# Altium PCB fastic-readout.PcbDoc (part 2 of 6) (continued)
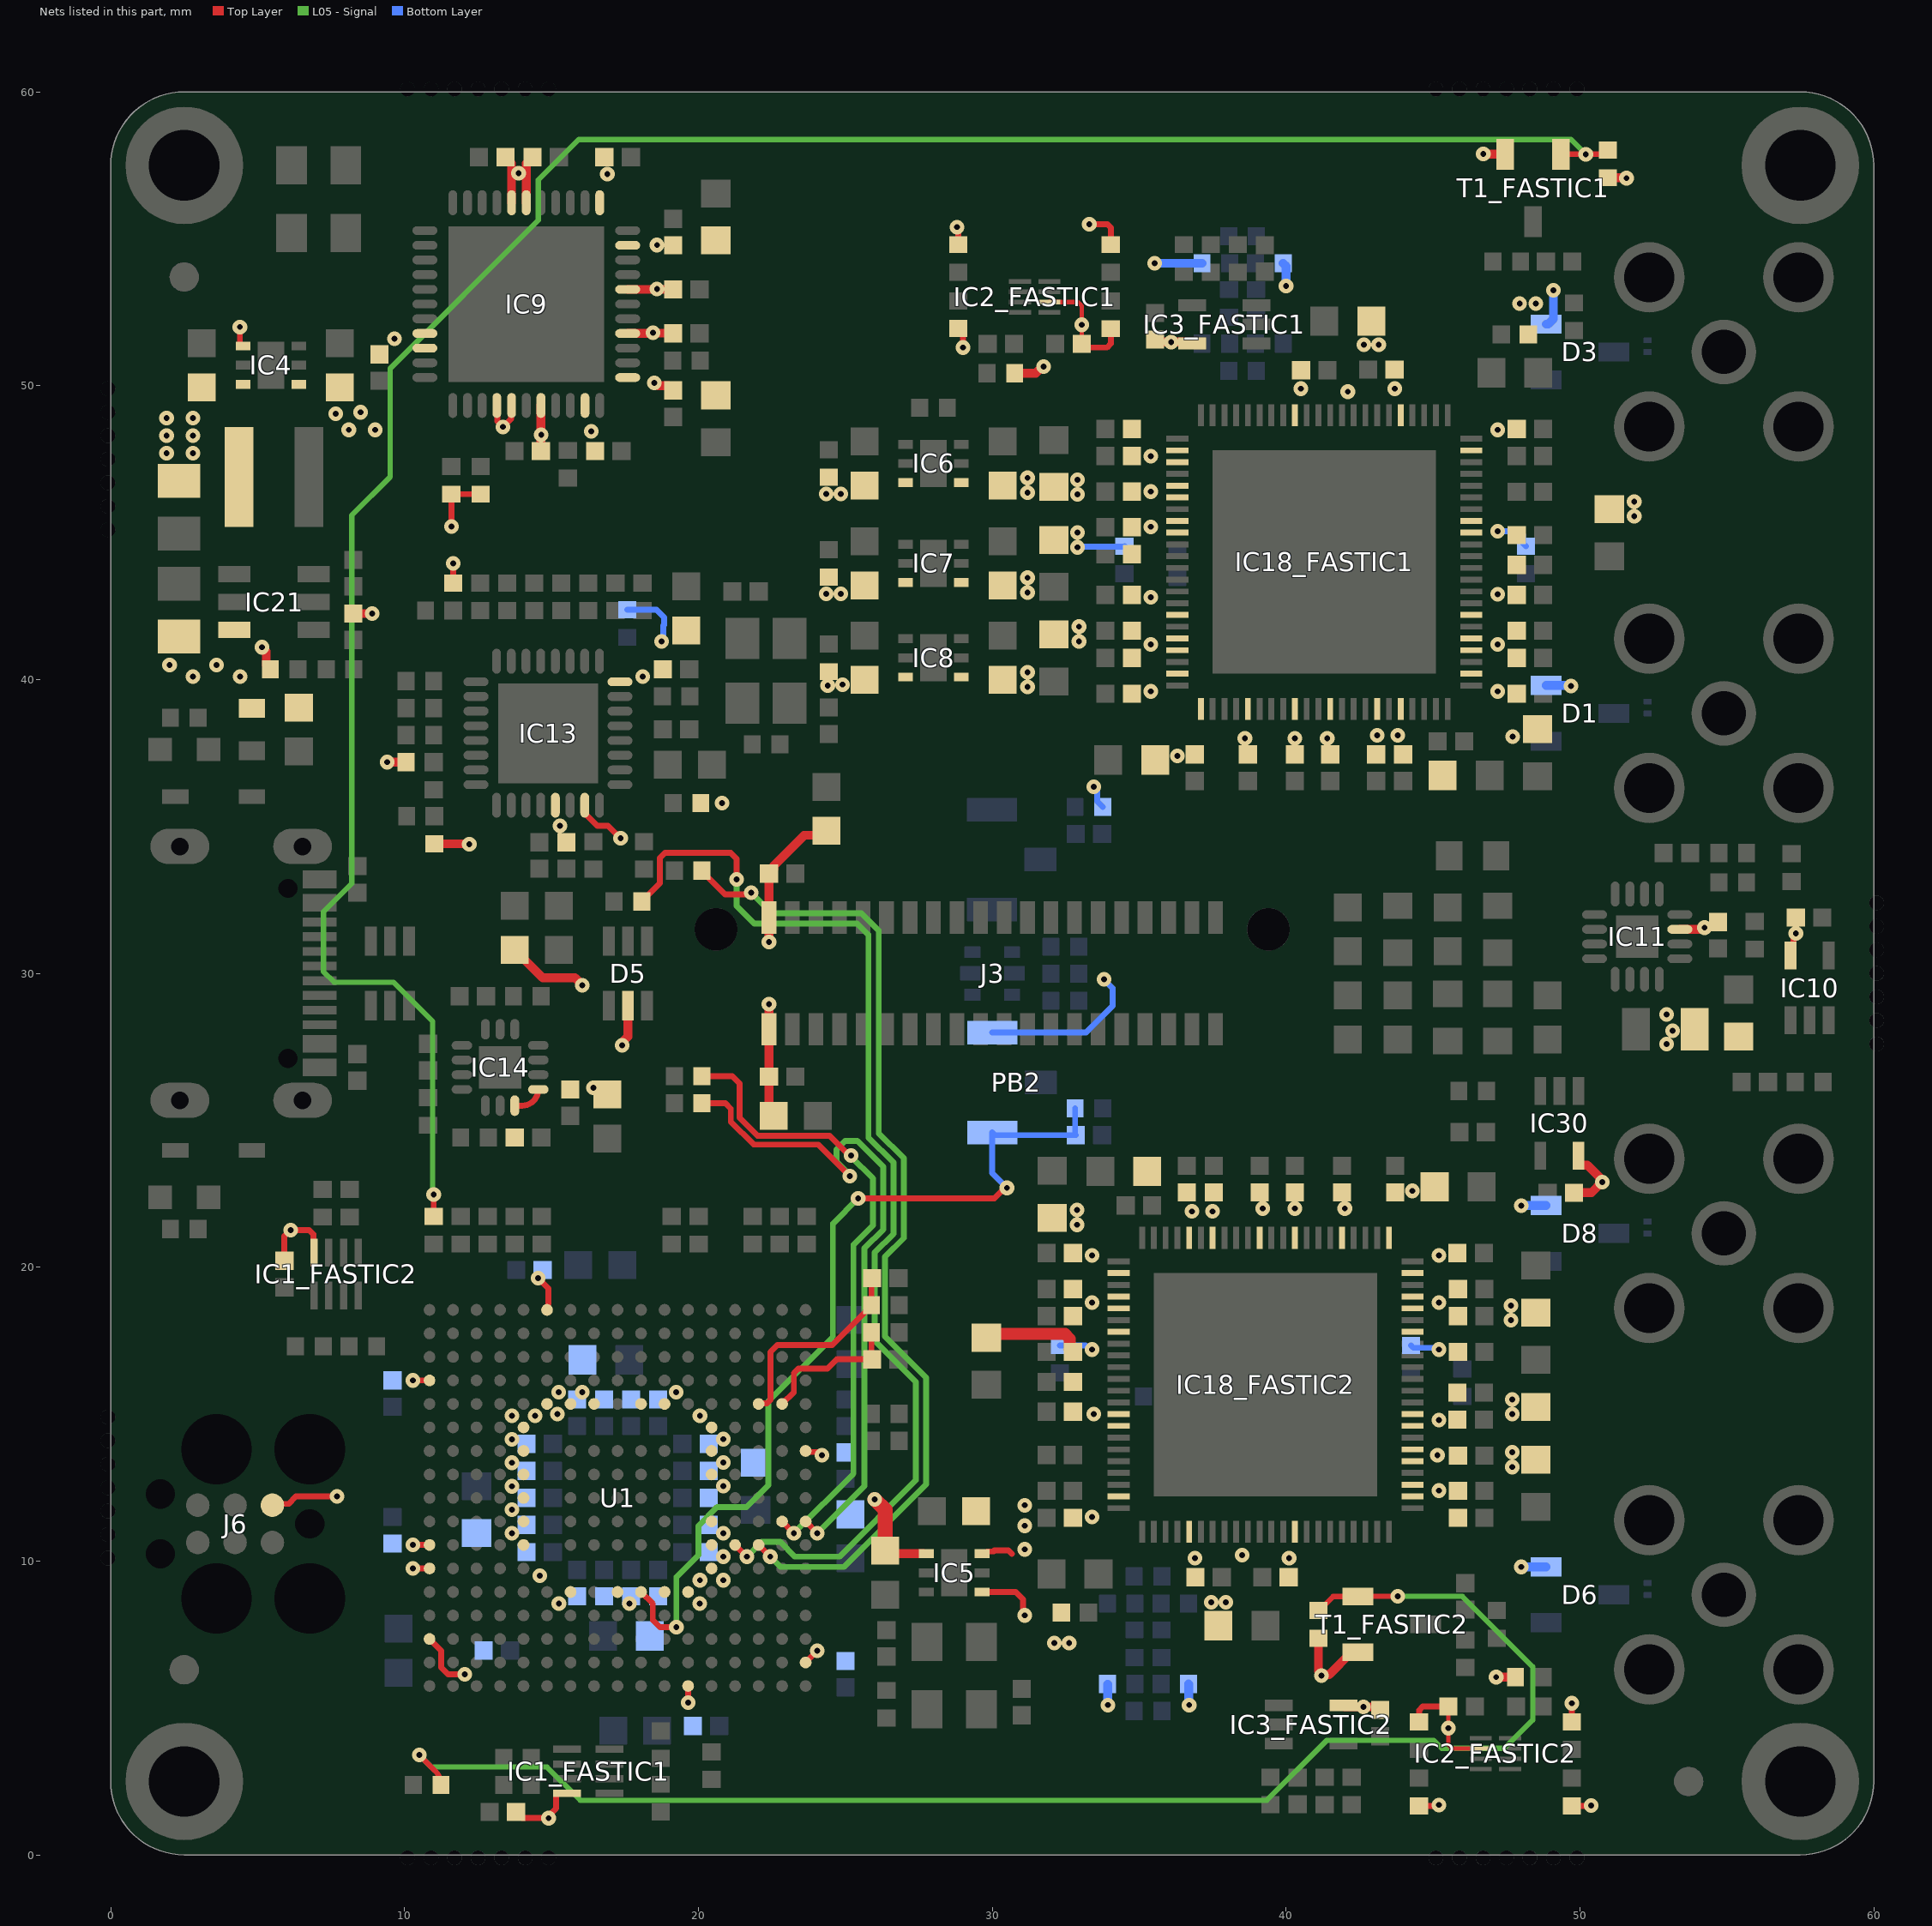
[diagram p8: the nets of this part, all layers, seen from the top]
## Part data (continued)
L1_FASTIC1 L1_FASTIC2: library part IND0402_MURATA_BLM15HB221SN1, Case=0402, Manufacturer=MURATA, Manufacturer Part Number=BLM15HB221SN1, Power=250mA, Resistance=1R, Tolerance=±25%, Author="CERN DEM JLC", Component Type=Standard, ComponentHeight=0.55mm, CreateDate=6/23/2009, HelpURL=\\cern.ch\dfs\Applications\Altium\Datasheets\IND0402_MURATA_BLM15H.pdf, LatestRevisionDate=10/25/2018, Mounted=Yes, Part Description="SMD EMIFIL Suppression Chip Ferrite Bead", Part Number=IND0402_MURATA_BLM15HB221SN1, Pin Count=2, Sense=No, SMD=Yes, Socket=No
L2: library part IND_3.3UH_20%_COILCRAFT_XAL4030, "Inductor With Core", Manufacturer=COILCRAFT, Manufacturer Part Number=XAL4030-332ME, Power=5A, Resistance=0.026R, Tolerance=±20%, Author="CERN DEM BC", Component Type=Standard, ComponentHeight=3.1mm, CreateDate=8/7/2019, HelpURL=\\cern.ch\dfs\Applications\Altium\Datasheets\IND_COILCRAFT_XAL4030.pdf, LatestRevisionDate=8/7/2019, Mounted=Yes, Part Description="SMD Shielded Power Inductor", Part Number=IND_3.3UH_20%_COILCRAFT_XAL4030, Pin Count=2, Sense=No, SMD=Yes, Socket=No
L3: library part IND0805_TDK_MLZ2012M150WT000, "Inductor", Case=0805, Manufacturer=TDK, Manufacturer Part Number=MLZ2012M150WT000, Power=100mA, Resistance=0.95R, Tolerance=±20%, Author="CERN DEM HF", Component Type=Standard, ComponentHeight=1.45mm, CreateDate=4/18/2024, HelpURL=\\cern.ch\dfs\Applications\Altium\Datasheets\IND0805_TDK_MLZ2012.pdf, LatestRevisionDate=4/18/2024, Mounted=Yes, Part Description="SMD Multilayer Ferrite (MLZ Series)", Part Number=IND0805_TDK_MLZ2012M150WT000, Pin Count=2, Sense=No, SMD=Yes, Socket=No
LD13 LD14: library part LED_KINGBRIGHT_KPH-1608CGCK, "LED Green 1C 2A", Case=0603, Manufacturer=KINGBRIGHT, Manufacturer Part Number=KPH-1608CGCK, Author="CERN DEM JLC", Bonding=No, Color=Green, Component Type=Standard, ComponentHeight=0.65mm, CreateDate=7/3/2017, HelpURL=\\cern.ch\dfs\Applications\Altium\Datasheets\LED_KINGBRIGHT_KPH-1608CGCK.pdf, LatestRevisionDate=7/3/2017, Mounted=Yes, PackageDescription="SMT Green LED, Case 0603, Body L 1.6 x W 0.8mm H 0.65mm", Part Description="SMD Green LED, Case 1.6mmX0.8mm(0603), 0.65mm Thickness", Part Number=LED_KINGBRIGHT_KPH-1608CGCK, Pin Count=2, PressFit=No, Sense=No, SMD=Yes, Socket=No
LD15: library part LED_EVERLIGHT_EAST1616RGBA8, "Everlight Tricolor (Red/Green/Blue) Surface Mount LED", Manufacturer=EVERLIGHT, Manufacturer Part Number=EAST1616RGBA8, Author="CERN DEM HF", Bonding=No, Color=Red/Green/Blue, Component Type=Standard, ComponentHeight=0.35mm, CreateDate=4/11/2022, HelpURL=\\cern.ch\dfs\Applications\Altium\Datasheets\LED_EVERLIGHT_EAST1616RGBA8.pdf, LatestRevisionDate=4/11/2022, Mounted=Yes, PackageDescription="Tricolor (RGB) Surface Mount LED, Body 1.6mm X 1.6mm X 0.35mm", Part Description="Everlight Tricolor (Red/Green/Blue) Surface Mount LED", Part Number=LED_EVERLIGHT_EAST1616RGBA8, Pin Count=6, PressFit=No, Sense=No, SMD=Yes, Socket=No
PB1 PB2: library part PB_OMRON_B3U-1100P, "Push-Button Switch SPST", Manufacturer=OMRON, Manufacturer Part Number=B3U-1100P, Author="CERN DEM JLC", Component Type=Standard, ComponentHeight=1.75mm, CreateDate=3/16/2010, Family="Push Button", HelpURL=\\cern.ch\dfs\Applications\Altium\Datasheets\PB_OMRON_B3U-1100P.pdf, LatestRevisionDate=9/12/2024, Mounted=Yes, PackageDescription="Body 1.2x3x2.5mm Ultra-Small Tactile SPST Pushbutton Switch, (with Ground Terminal), OMRON B3U Series", Part Description="3x2.5mm Ultra-Small Tactile SPST Pushbutton Switch (with Ground Terminal),Contact Rating 50mA 12VDC, B3U Series", Part Number=PB_OMRON_B3U-1100P, Pin Count=3, PressFit=No, Sense=Yes, Sense Comment=Non-washable, SMD=Yes, Socket=No, Status=None
Q1 Q2: library part XTAL_48MHZ_KYOCERA_CX3225SB48000D0FPJC1, "Crystal 4 pins 1=XTAL Control 2=GND3=XTAL 4=GND", Manufacturer=KYOCERA, Manufacturer Part Number=CX3225SB48000D0FPJC1, Author="CERN DEM JLC", Bonding=No, Component Type=Standard, ComponentHeight=0.6mm, CreateDate=6/5/2018, HelpURL=\\cern.ch\dfs\Applications\Altium\Datasheets\XTAL_KYOCERA_CX3225SB.pdf, LatestRevisionDate=6/5/2018, Mounted=Yes, PackageDescription="SMD Crystal Kyocera, 4 Pins, 2.50mm L X 3.20mm W X 0.6mm H", Part Description="Tolerance: ±10ppm, Stability: ±15ppm, 8pF, -40°C to +85°C, Surface Mount Crystal", Part Number=XTAL_48MHZ_KYOCERA_CX3225SB48000D0FPJC1, Pin Count=4, PressFit=No, Sense=No, SMD=Yes, Socket=No
Q3: library part "XTAL_24MHZ_EPSON_TSX-3225 24.0000MF15X-AC", "Crystal 4 pins 1=XTAL Control 2=GND3=XTAL 4=GND", Manufacturer=EPSON, Manufacturer Part Number="TSX-3225 24.0000MF15X-AC", Author="CERN DEM JLC", Bonding=No, Component Type=Standard, ComponentHeight=0.6mm, ComponentLink1Description="Ordering Informations", ComponentLink1URL=\\cern.ch\dfs\Applications\Altium\Datasheets\XTAL_EPSON_TSX-3225_Ordering-Informations.pdf, CreateDate=10/6/2016, HelpURL=\\cern.ch\dfs\Applications\Altium\Datasheets\XTAL_EPSON_TSX-3225.pdf, LatestRevisionDate=10/6/2016, Mounted=Yes, PackageDescription="Crystal, Corner Concave; 4 Pin, 2.50mm L X 3.20mm W X 0.60mm H, TSX-3225 Serie", Part Description="Tolerance: ±10ppm, Stability: ±15ppm, -40°C to +85°C, 9pF, Surface Mount Quartz Crystal, TX-3225 Series", Part Number="XTAL_24MHZ_EPSON_TSX-3225 24.0000MF15X-AC", Pin Count=4, PressFit=No, Sense=No, SMD=Yes, Socket=No
R1 R2 R11 R12 R18 R19 R21 R22 R31_FASTIC1 R31_FASTIC2 R82 R123 R124 R126: library part R0402_220R_1%_0.0625W_100PPM, "Resistor - 1%", Case=0402, Manufacturer=GENERIC, Manufacturer1 ComponentHeight=0.4mm, Manufacturer1 Example="YAGEO PHYCOMP", Manufacturer1 Part Number=232270672201L, Power=0.0625W, Tolerance=±1%, Author="CERN DEM JLC", Component Type=Standard, CreateDate=12/3/2007, HelpURL=\\cern.ch\dfs\Applications\Altium\Datasheets\R0402_Phycomp_RC0402.pdf, LatestRevisionDate=10/17/2012, Manufacturer Part Number=R0402_220R_1%_0.0625W_100PPM, Mounted=Yes, Part Description="General Purpose Thick Film Chip Resistor", Part Number=R0402_220R_1%_0.0625W_100PPM, Pin Count=2, PressFit=No, Sense=No, SMD=Yes, Socket=No, Status="Not Recommended", TC=±100ppm/°C
R3 R4 R9 R13 R14 R23: library part R0402_50R_1%_0.063W_50PPM_KOA_RN73R, "Resistor - 1%", Case=0402, Manufacturer=KOA, Manufacturer Part Number=RN73R1ETTP50R0F50, Power=0.063W, Tolerance=±1%, Author="CERN DEM BC", Component Type=Standard, ComponentHeight=0.4mm, CreateDate=11/11/2020, HelpURL=\\cern.ch\dfs\Applications\Altium\Datasheets\R0402_KOA_RN73R.pdf, LatestRevisionDate=11/11/2020, Mounted=Yes, Part Description="Precision Thin (Metal) Film Flat Chip Resistor", Part Number=R0402_50R_1%_0.063W_50PPM_KOA_RN73R, Pin Count=2, PressFit=No, Sense=No, SMD=Yes, Socket=No, Status="Not Recommended", TC=±50ppm/°C
R5 R6 R15 R16: library part R0402_20R_1%_0.0625W_100PPM, "Resistor - 1%", Case=0402, Manufacturer=GENERIC, Manufacturer1 ComponentHeight=0.4mm, Manufacturer1 Example="YAGEO PHYCOMP", Manufacturer1 Part Number=232270672009L, Power=0.0625W, Tolerance=±1%, Author="CERN DEM JLC", Component Type=Standard, CreateDate=12/3/2007, HelpURL=\\cern.ch\dfs\Applications\Altium\Datasheets\R0402_Phycomp_RC0402.pdf, LatestRevisionDate=10/17/2012, Manufacturer Part Number=R0402_20R_1%_0.0625W_100PPM, Mounted=Yes, Part Description="General Purpose Thick Film Chip Resistor", Part Number=R0402_20R_1%_0.0625W_100PPM, Pin Count=2, PressFit=No, Sense=No, SMD=Yes, Socket=No, Status="Not Recommended", TC=±100ppm/°C
R7 R8 R10 R17 R20 R24 R25 R26 R30_FASTIC1 R30_FASTIC2 R68 R69 R70 R71 R72 R73 R74 R75 R76 R77 R78 R81 R83 R84 R89 R90 R92 R94 R96 R97 R98 R99 R102 R103 R104: library part R0402_22R_1%_0.0625W_100PPM, "Resistor - 1%", Case=0402, Manufacturer=GENERIC, Manufacturer1 ComponentHeight=0.4mm, Manufacturer1 Example="YAGEO PHYCOMP", Manufacturer1 Part Number=232270672209L, Power=0.0625W, Tolerance=±1%, Author="CERN DEM JLC", Component Type=Standard, CreateDate=12/3/2007, HelpURL=\\cern.ch\dfs\Applications\Altium\Datasheets\R0402_Phycomp_RC0402.pdf, LatestRevisionDate=10/17/2012, Manufacturer Part Number=R0402_22R_1%_0.0625W_100PPM, Mounted=Yes, Part Description="General Purpose Thick Film Chip Resistor", Part Number=R0402_22R_1%_0.0625W_100PPM, Pin Count=2, PressFit=No, Sense=No, SMD=Yes, Socket=No, Status="Not Recommended", TC=±100ppm/°C
R27_FASTIC1 R27_FASTIC2 R28_FASTIC1 R28_FASTIC2 R29_FASTIC1 R29_FASTIC2 R47 R48 R49 R50 R60 R79 R80 R85 R100 R108: library part R0402_10K_1%_0.0625W_100PPM, "Resistor - 1%", Case=0402, Manufacturer=GENERIC, Manufacturer1 ComponentHeight=0.4mm, Manufacturer1 Example="YAGEO PHYCOMP", Manufacturer1 Part Number=232270671003L, Power=0.0625W, Tolerance=±1%, Author="CERN DEM JLC", Component Type=Standard, CreateDate=12/3/2007, HelpURL=\\cern.ch\dfs\Applications\Altium\Datasheets\R0402_Phycomp_RC0402.pdf, LatestRevisionDate=10/17/2012, Manufacturer Part Number=R0402_10K_1%_0.0625W_100PPM, Mounted=Yes, Part Description="General Purpose Thick Film Chip Resistor", Part Number=R0402_10K_1%_0.0625W_100PPM, Pin Count=2, PressFit=No, Sense=No, SMD=Yes, Socket=No, Status="Not Recommended", TC=±100ppm/°C
R32_FASTIC1 R32_FASTIC2 R33_FASTIC1 R33_FASTIC2 R101 R125 R127 R128 R129 R130: library part R0402_100R_1%_0.1W_100PPM, "Resistor - 1%", Case=0402, Manufacturer=GENERIC, Manufacturer1 ComponentHeight=0.4mm, Manufacturer1 Example=PANASONIC, Manufacturer1 Part Number=ERJ2RKF1000X, Manufacturer Part Number=R0402_100R_1%_0.1W_100PPM_50V, Power=0.1W, Tolerance=±1%, Voltage=50V, Author="CERN DEM JLC", Component Type=Standard, CreateDate=12/12/2013, HelpURL=\\cern.ch\dfs\Applications\Altium\Datasheets\R0402_PANASONIC_ERJ2RK.pdf, LatestRevisionDate=3/3/2015, Mounted=Yes, Part Description="General Purpose Thick Film Chip Resistor", Part Number=R0402_100R_1%_0.1W_100PPM, Pin Count=2, PressFit=No, Sense=No, SMD=Yes, Socket=No, Status="Not Recommended", TC=±100ppm/°C
R34_FASTIC1 R34_FASTIC2 R35_FASTIC1 R35_FASTIC2 R39_FASTIC1 R39_FASTIC2 R40_FASTIC1 R40_FASTIC2 R42_FASTIC1 R42_FASTIC2 R43_FASTIC1 R43_FASTIC2 R51 R52: library part R0402_4K7_1%_0.0625W_100PPM, "Resistor - 1%", Case=0402, Manufacturer=GENERIC, Manufacturer1 ComponentHeight=0.4mm, Manufacturer1 Example="YAGEO PHYCOMP", Manufacturer1 Part Number=232270674702L, Power=0.0625W, Tolerance=±1%, Author="CERN DEM JLC", Component Type=Standard, CreateDate=12/3/2007, HelpURL=\\cern.ch\dfs\Applications\Altium\Datasheets\R0402_Phycomp_RC0402.pdf, LatestRevisionDate=10/17/2012, Manufacturer Part Number=R0402_4K7_1%_0.0625W_100PPM, Mounted=Yes, Part Description="General Purpose Thick Film Chip Resistor", Part Number=R0402_4K7_1%_0.0625W_100PPM, Pin Count=2, PressFit=No, Sense=No, SMD=Yes, Socket=No, Status="Not Recommended", TC=±100ppm/°C
R36_FASTIC1 R36_FASTIC2: library part R0402_200K_1%_0.0625W_100PPM, "Resistor - 1%", Case=0402, Manufacturer=GENERIC, Manufacturer1 ComponentHeight=0.4mm, Manufacturer1 Example="YAGEO PHYCOMP", Manufacturer1 Part Number=232270672004L, Power=0.0625W, Tolerance=±1%, Author="CERN DEM JLC", Component Type=Standard, CreateDate=12/3/2007, HelpURL=\\cern.ch\dfs\Applications\Altium\Datasheets\R0402_Phycomp_RC0402.pdf, LatestRevisionDate=10/17/2012, Manufacturer Part Number=R0402_200K_1%_0.0625W_100PPM, Mounted=Yes, Part Description="General Purpose Thick Film Chip Resistor", Part Number=R0402_200K_1%_0.0625W_100PPM, Pin Count=2, PressFit=No, Sense=No, SMD=Yes, Socket=No, Status="Not Recommended", TC=±100ppm/°C
R37: library part R0402_31K6_0.1%_0.063W_25PPM_YAGEO_RT, "Resistor - 0.1%", Case=0402, Manufacturer=YAGEO, Manufacturer Part Number=RT0402BRD0731K6L, Power=0.063W, Tolerance=±0.1%, Voltage=50V, Author="CERN DEM BC", Component Type=Standard, ComponentHeight=0.35mm, CreateDate=7/30/2020, HelpURL=\\cern.ch\dfs\Applications\Altium\Datasheets\R0402_YAGEO_RT.pdf, LatestRevisionDate=7/30/2020, Mounted=Yes, Part Description="Thin Film Chip Resistor", Part Number=R0402_31K6_0.1%_0.063W_25PPM_YAGEO_RT, Pin Count=2, PressFit=No, Sense=No, SMD=Yes, Socket=No, Status="Not Recommended", TC=±25ppm/°C
R38 R41_FASTIC1 R41_FASTIC2: library part R0402_10K_0.1%_0.063W_25PPM, "Resistor - 0.1%", Case=0402, Manufacturer=GENERIC, Manufacturer1 ComponentHeight=0.35mm, Manufacturer1 Example="TE CONNECTIVITY", Manufacturer1 Part Number=CPF0402B10KE1, Power=0.063W, Tolerance=±0.1%, Author="CERN DEM JMW", Component Type=Standard, CreateDate=9/22/2015, HelpURL=\\cern.ch\dfs\Applications\Altium\Datasheets\R0402_TYCO_CPF.pdf, LatestRevisionDate=9/22/2015, Manufacturer Part Number=R0402_10K_0.1%_0.063W_25PPM, Mounted=Yes, Part Description="Thin Film Precision Resistor", Part Number=R0402_10K_0.1%_0.063W_25PPM, Pin Count=2, PressFit=No, Sense=No, SMD=Yes, Socket=No, Status="Not Recommended", TC=±25ppm/°C
R44_FASTIC1 R44_FASTIC2 R63: library part R0402_20K_0.1%_0.063W_25PPM, "Resistor - 0.1%", Case=0402, Manufacturer=GENERIC, Manufacturer1 ComponentHeight=0.4mm, Manufacturer1 Example=PANASONIC, Manufacturer1 Part Number=ERA2AEB203X, Power=0.063W, Tolerance=±0.1%, Voltage=50V, Author="CERN DEM BC", Component Type=Standard, CreateDate=7/10/2020, HelpURL=\\cern.ch\dfs\Applications\Altium\Datasheets\R0402_PANASONIC_ERA.pdf, LatestRevisionDate=7/10/2020, Manufacturer Part Number=R0402_20K_0.1%_0.063W_25PPM, Mounted=Yes, Part Description="Thin Film Precision Resistor", Part Number=R0402_20K_0.1%_0.063W_25PPM, Pin Count=2, PressFit=No, Sense=No, SMD=Yes, Socket=No, Status="Not Recommended", TC=±25ppm/°C
R53: library part R0402_1K_0.1%_0.063W_25PPM, "Resistor - 0.1%", Case=0402, Manufacturer=GENERIC, Manufacturer1 ComponentHeight=0.4mm, Manufacturer1 Example=PANASONIC, Manufacturer1 Part Number=ERA2AEB102X, Power=0.063W, Tolerance=±0.1%, Voltage=50V, Author="CERN DEM BC", Component Type=Standard, CreateDate=7/10/2020, HelpURL=\\cern.ch\dfs\Applications\Altium\Datasheets\R0402_PANASONIC_ERA.pdf, LatestRevisionDate=7/10/2020, Manufacturer Part Number=R0402_1K_0.1%_0.063W_25PPM, Mounted=Yes, Part Description="Thin Film Precision Resistor", Part Number=R0402_1K_0.1%_0.063W_25PPM, Pin Count=2, PressFit=No, Sense=No, SMD=Yes, Socket=No, Status="Not Recommended", TC=±25ppm/°C
R54: library part R0603_100R_1%_0.1W_100PPM, "Resistor - 1%", Case=0603, Manufacturer=GENERIC, Manufacturer1 ComponentHeight=0.55mm, Manufacturer1 Example="NIC COMPONENT", Manufacturer1 Part Number=NRC06F4700TRF, Power=0.1W, Tolerance=±1%, Author="CERN DEM JLC", Component Type=Standard, CreateDate=12/3/2007, HelpURL=\\cern.ch\dfs\Applications\Altium\Datasheets\R0603_NIC_NRC.pdf, LatestRevisionDate=3/13/2008, Manufacturer Part Number=R0603_100R_1%_0.1W_100PPM, Mounted=Yes, Part Description="General Purpose Thick Film Chip Resistor", Part Number=R0603_100R_1%_0.1W_100PPM, Pin Count=2, PressFit=No, Sense=No, SMD=Yes, Socket=No, Status=Preferred, TC=±100ppm/°C
R55: library part R0603_20R_0.1%_0.063W_10PPM, "Resistor - 0.1%", Case=0603, Manufacturer=GENERIC, Manufacturer1 ComponentHeight=0.5mm, Manufacturer1 Example="TYCO HOLSWORTHY", Manufacturer1 Part Number=RN73C1J20RBTDF, Power=0.063W, Tolerance=±0.1%, Author="CERN DEM JLC", Component Type=Standard, CreateDate=12/3/2007, HelpURL=\\cern.ch\dfs\Applications\Altium\Datasheets\R0603_Tyco_RN73.pdf, LatestRevisionDate=3/13/2008, Manufacturer Part Number=R0603_20R_0.1%_0.063W_10PPM, Mounted=Yes, Part Description="Thin Film Chip Resistor", Part Number=R0603_20R_0.1%_0.063W_10PPM, Pin Count=2, PressFit=No, Sense=No, SMD=Yes, Socket=No, Status="Not Recommended", TC=±10ppm
R56 R61: library part R0402_12K_1%_0.0625W_100PPM, "Resistor - 1%", Case=0402, Manufacturer=GENERIC, Manufacturer1 ComponentHeight=0.4mm, Manufacturer1 Example="YAGEO PHYCOMP", Manufacturer1 Part Number=232270671203L, Power=0.0625W, Tolerance=±1%, Author="CERN DEM JLC", Component Type=Standard, CreateDate=12/3/2007, HelpURL=\\cern.ch\dfs\Applications\Altium\Datasheets\R0402_Phycomp_RC0402.pdf, LatestRevisionDate=10/17/2012, Manufacturer Part Number=R0402_12K_1%_0.0625W_100PPM, Mounted=Yes, Part Description="General Purpose Thick Film Chip Resistor", Part Number=R0402_12K_1%_0.0625W_100PPM, Pin Count=2, PressFit=No, Sense=No, SMD=Yes, Socket=No, Status="Not Recommended", TC=±100ppm/°C
R57 R58: library part R0603_1M_0.1%_0.063W_25PPM, "Resistor - 0.1%", Case=0603, Manufacturer=GENERIC, Manufacturer1 ComponentHeight=0.55mm, Manufacturer1 Example="TE CONNECTIVITY", Manufacturer1 Part Number=CPF0603B1M0E1, Power=0.063W, Tolerance=±0.1%, Voltage=100V, Author="CERN DEM JLC", Component Type=Standard, CreateDate=5/24/2012, HelpURL=\\cern.ch\dfs\Applications\Altium\Datasheets\R0603_TYCO_CPF.pdf, LatestRevisionDate=5/24/2012, Manufacturer Part Number=R0603_1M_0.1%_0.063W_25PPM, Mounted=Yes, Part Description="Thin Film Chip Resistor", Part Number=R0603_1M_0.1%_0.063W_25PPM, Pin Count=2, PressFit=No, Sense=No, SMD=Yes, Socket=No, Status="Not Recommended", TC=±25ppm
R59: library part R0402_15K_1%_0.0625W_100PPM, "Resistor - 1%", Case=0402, Manufacturer=GENERIC, Manufacturer1 ComponentHeight=0.4mm, Manufacturer1 Example=VISHAY, Manufacturer1 Part Number=CRCW040215K0FK, Power=0.0625W, Tolerance=±1%, Author="CERN DEM JMW", Component Type=Standard, CreateDate=7/6/2015, HelpURL="\\cern.ch\dfs\Applications\Altium\Datasheets\R0402_VISHAY_CRCW e3.pdf", LatestRevisionDate=7/6/2015, Manufacturer Part Number=R0402_15K_1%_0.0625W_100PPM, Mounted=Yes, Part Description="General Purpose Thick Film Chip Resistor", Part Number=R0402_15K_1%_0.0625W_100PPM, Pin Count=2, PressFit=No, Sense=No, SMD=Yes, Socket=No, Status=Preferred, TC=±100ppm/°C
R62: library part R0603_12K_1%_0.1W_100PPM, "Resistor - 1%", Case=0603, Manufacturer=GENERIC, Manufacturer1 ComponentHeight=0.55mm, Manufacturer1 Example="NIC COMPONENT", Manufacturer1 Part Number=NRC06F1202TRF, Power=0.1W, Tolerance=±1%, Author="CERN DEM JLC", Component Type=Standard, CreateDate=12/3/2007, HelpURL=\\cern.ch\dfs\Applications\Altium\Datasheets\R0603_NIC_NRC.pdf, LatestRevisionDate=3/13/2008, Manufacturer Part Number=R0603_12K_1%_0.1W_100PPM, Mounted=Yes, Part Description="General Purpose Thick Film Chip Resistor", Part Number=R0603_12K_1%_0.1W_100PPM, Pin Count=2, PressFit=No, Sense=No, SMD=Yes, Socket=No, Status=Preferred, TC=±100ppm/°C
R86 R87 R88 R91 R93 R95 R107: library part R0402_0R_JUMPER, "Resistor", Case=0402, Manufacturer=GENERIC, Manufacturer1 ComponentHeight=0.4mm, Manufacturer1 Example="YAGEO PHYCOMP", Manufacturer1 Part Number=232270591001L, Author="CERN DEM JLC", Component Type=Standard, CreateDate=12/3/2007, HelpURL=\\cern.ch\dfs\Applications\Altium\Datasheets\R0402_Phycomp_RC0402.pdf, LatestRevisionDate=10/17/2012, Manufacturer Part Number=R0402_0R_JUMPER, Mounted=Yes, Part Description="1A (0.05R Max DC Resistance) Zero Ohm Jumper", Part Number=R0402_0R_JUMPER, Pin Count=2, PressFit=No, Sense=No, SMD=Yes, Socket=No, Status="Not Recommended"
R105: library part R0402_8K06_1%_0.0625W_100PPM, "Resistor - 1%", Case=0402, Manufacturer=GENERIC, Manufacturer1 ComponentHeight=0.4mm, Manufacturer1 Example="YAGEO PHYCOMP", Manufacturer1 Part Number=RC0402FR-078K06L, Power=0.0625W, Tolerance=±1%, Author="CERN DEM BC", Component Type=Standard, CreateDate=3/16/2021, HelpURL=\\cern.ch\dfs\Applications\Altium\Datasheets\R0402_YAGEO_RC_L.pdf, LatestRevisionDate=3/16/2021, Manufacturer Part Number=R0402_8K06_1%_0.0625W_100PPM, Mounted=Yes, Part Description="General Purpose Thick Film Chip Resistor", Part Number=R0402_8K06_1%_0.0625W_100PPM, Pin Count=2, PressFit=No, Sense=No, SMD=Yes, Socket=No, Status=Preferred, TC=±100ppm/°C
R106: library part R0402_1M_1%_0.0625W_100PPM, "Resistor - 1%", Case=0402, Manufacturer=GENERIC, Manufacturer1 ComponentHeight=0.4mm, Manufacturer1 Example="YAGEO PHYCOMP", Manufacturer1 Part Number=232270671005L, Power=0.0625W, Tolerance=±1%, Author="CERN DEM JLC", Component Type=Standard, CreateDate=12/3/2007, HelpURL=\\cern.ch\dfs\Applications\Altium\Datasheets\R0402_Phycomp_RC0402.pdf, LatestRevisionDate=10/17/2012, Manufacturer Part Number=R0402_1M_1%_0.0625W_100PPM, Mounted=Yes, Part Description="General Purpose Thick Film Chip Resistor", Part Number=R0402_1M_1%_0.0625W_100PPM, Pin Count=2, PressFit=No, Sense=No, SMD=Yes, Socket=No, Status="Not Recommended", TC=±100ppm/°C
R111 R112: library part R0402_5K1_1%_0.0625W_100PPM, "Resistor - 1%", Case=0402, Manufacturer=GENERIC, Manufacturer1 ComponentHeight=0.4mm, Manufacturer1 Example="YAGEO PHYCOMP", Manufacturer1 Part Number=232270675102L, Power=0.0625W, Tolerance=±1%, Author="CERN DEM JLC", Component Type=Standard, CreateDate=12/3/2007, HelpURL=\\cern.ch\dfs\Applications\Altium\Datasheets\R0402_Phycomp_RC0402.pdf, LatestRevisionDate=10/17/2012, Manufacturer Part Number=R0402_5K1_1%_0.0625W_100PPM, Mounted=Yes, Part Description="General Purpose Thick Film Chip Resistor", Part Number=R0402_5K1_1%_0.0625W_100PPM, Pin Count=2, PressFit=No, Sense=No, SMD=Yes, Socket=No, Status="Not Recommended", TC=±100ppm/°C
T1_FASTIC1 T1_FASTIC2: "P-CHANNEL MOSFET WITH ZENER DIODE", Case=SOT23-3, Manufacturer="INTERNATIONAL RECTIFIER", Manufacturer Part Number=IRLML6402, Author="CERN DEM JLC", Bonding=No, Component Type=Standard, ComponentHeight=1.12mm, CreateDate=8/29/2011, Device=IRLML6402PBF, HelpURL=\\cern.ch\dfs\Applications\Altium\Datasheets\IRLML6402PBF.pdf, LatestRevisionDate=8/29/2011, Mounted=Yes, PackageDescription="SOT23, 0.95mm Pitch; 3 Pin, 1.30mm W X 2.92mm L X 1.12mm H body, IPC Medium Density", Part Description="-20V -3.7A P-Channel HEXFET® Power MOSFET", Part Number=IRLML6402PBF, Pin Count=3, PressFit=No, Sense=No, SMD=Yes, Socket=No
U1: "No Description Available", Mfr_Name=STMicroelectronics, RefDes=RefDes, Type=Type

## Free pads (board coordinates)
  round 0.5 hole 0.5 unplated mask+0: 5(-0.1,10.1) 5(-0.1,10.9) 5(-0.1,11.7) 5(-0.1,12.5) 5(-0.1,13.3) 5(-0.1,14.1) 5(-0.1,14.9) 5(-0.1,10.1) 5(-0.1,10.9) 5(-0.1,11.7) 5(-0.1,12.5) 5(-0.1,13.3) 5(-0.1,14.1) 5(-0.1,14.9) 5(-0.1,45.1) 5(-0.1,45.9) 5(-0.1,46.7) 5(-0.1,47.5) 5(-0.1,48.3) 5(-0.1,49.1) 5(-0.1,49.9) 5(-0.1,45.1) 5(-0.1,45.9) 5(-0.1,46.7) 5(-0.1,47.5) 5(-0.1,48.3) 5(-0.1,49.1) 5(-0.1,49.9) 5(10.1,-0.1) 5(10.1,-0.1) 5(10.1,60.1) 5(10.9,-0.1) 5(10.9,-0.1) 5(10.9,60.1) 5(11.7,-0.1) 5(11.7,-0.1) 5(11.7,60.1) 5(12.5,-0.1) 5(12.5,-0.1) 5(12.5,60.1) 5(13.3,-0.1) 5(13.3,-0.1) 5(13.3,60.1) 5(14.1,-0.1) 5(14.1,-0.1) 5(14.1,60.1) 5(14.9,-0.1) 5(14.9,-0.1) 5(14.9,60.1) 5(45.1,-0.1) 5(45.1,60.1) 5(45.1,-0.1) 5(45.9,-0.1) 5(45.9,60.1) 5(45.9,-0.1) 5(46.7,-0.1) 5(46.7,60.1) 5(46.7,-0.1) 5(47.5,-0.1) 5(47.5,60.1) 5(47.5,-0.1) 5(48.3,-0.1) 5(48.3,60.1) 5(48.3,-0.1) 5(49.1,-0.1) 5(49.1,60.1) 5(49.1,-0.1) 5(49.9,-0.1) 5(49.9,60.1) 5(49.9,-0.1) 5(60.1,27.6) 5(60.1,28.4) 5(60.1,29.2) 5(60.1,30) 5(60.1,30.8) 5(60.1,31.6) 5(60.1,32.4)

## Via types
v1: diameter 0.5, hole 0.2, Top Layer to Bottom Layer, tented both sides, 1082 vias

## Nets (pads, with @x,y where several pads share a name; then routed paths per layer and width w, separated by ;. In a path a pad name is that pad's centre, name@x,y a point inside that pad or via, vN(x,y) a via of type N, cw(c..) or ccw(c..) an arc to the next point about the centre after c; other vN are vias at no path point)
+1V2A: C34.2 C51_FASTIC1.1 C51_FASTIC2.1 C52_FASTIC1.1 C52_FASTIC2.1 C53_FASTIC1.1 C53_FASTIC2.1 C54_FASTIC1.1 C54_FASTIC2.1 C55_FASTIC1.1 C55_FASTIC2.1 C56_FASTIC1.1 C56_FASTIC2.1 C57_FASTIC1.1 C57_FASTIC2.1 C58_FASTIC1.1 C58_FASTIC2.1 C59_FASTIC1.1 C59_FASTIC2.1 C60_FASTIC1.1 C60_FASTIC2.1 IC8.1 IC18_FASTIC1.1 IC18_FASTIC1.5 IC18_FASTIC1.9 IC18_FASTIC1.12 IC18_FASTIC1.16 IC18_FASTIC1.18 IC18_FASTIC1.24 IC18_FASTIC1.87 IC18_FASTIC2.1 IC18_FASTIC2.5 IC18_FASTIC2.9 IC18_FASTIC2.12 IC18_FASTIC2.16 IC18_FASTIC2.18 IC18_FASTIC2.24 IC18_FASTIC2.87
  other v1: 33.4,20.4 45.2,20.4 36.8,21.9 37.5,21.9 39.2,22 40.3,22 42,22 44.3,22.6 36.3,37.4 38.6,38 40.3,38 41.4,38 43.1,38.1 43.8,38.1 35.4,39.6 47.2,39.6 31.2,39.75 31.2,40.25
+1V2D: C10_FASTIC1.1 C10_FASTIC2.1 C30.2 C61_FASTIC1.1 C61_FASTIC2.1 C62_FASTIC1.1 C62_FASTIC2.1 C63_FASTIC1.1 C63_FASTIC2.1 C64_FASTIC1.1 C64_FASTIC2.1 C65_FASTIC1.1 C65_FASTIC2.1 C66_FASTIC1.1 C66_FASTIC2.1 C67_FASTIC1.1 C67_FASTIC2.1 C68_FASTIC1.1 C68_FASTIC2.1 C70_FASTIC1.1 C70_FASTIC2.1 C71_FASTIC1.1 C71_FASTIC2.1 C72_FASTIC1.1 C72_FASTIC2.1 C73_FASTIC1.1 C73_FASTIC2.1 C74_FASTIC1.1 C74_FASTIC2.1 C77_FASTIC1.1 C77_FASTIC2.1 C78_FASTIC1.1 C78_FASTIC2.1 C79_FASTIC1.1 C79_FASTIC2.1 D1.2 D3.2 D6.2 D8.2 IC2_FASTIC1.2 IC2_FASTIC2.2 IC6.1 IC18_FASTIC1.29 IC18_FASTIC1.36 IC18_FASTIC1.37 IC18_FASTIC1.43 IC18_FASTIC1.49 IC18_FASTIC1.58 IC18_FASTIC1.68 IC18_FASTIC1.69 IC18_FASTIC1.71 IC18_FASTIC1.72 IC18_FASTIC1.74 IC18_FASTIC1.75 IC18_FASTIC1.82 IC18_FASTIC2.29 IC18_FASTIC2.36 IC18_FASTIC2.37 IC18_FASTIC2.43 IC18_FASTIC2.49 IC18_FASTIC2.58 IC18_FASTIC2.68 IC18_FASTIC2.69 IC18_FASTIC2.71 IC18_FASTIC2.72 IC18_FASTIC2.74 IC18_FASTIC2.75 IC18_FASTIC2.82 R27_FASTIC1.2 R27_FASTIC2.2 R28_FASTIC1.2 R28_FASTIC2.2 R39_FASTIC1.2 R39_FASTIC2.2 R40_FASTIC1.2 R40_FASTIC2.2 | length 22.4
  Top Layer w0.15: IC2_FASTIC1.2@31.944,52.849 32.919,52.849 33.044,52.724 C10_FASTIC1.1@33.044,51.424 C10_FASTIC1.1@33.168,51.3 ; C10_FASTIC2.1@45.525,5.05 45.525,3.75 45.65,3.625 IC2_FASTIC2.2@46.625,3.625
  Top Layer w0.2: C10_FASTIC1.1@33.168,51.3 33.9,51.3 34.034,51.434 R39_FASTIC1.2@34.034,51.944 ; v1(33.3,55.5) 33.917,55.5 34.034,55.383 R40_FASTIC1.2@34.034,54.804 ; R40_FASTIC2.2@44.525,1.67 45.17,1.67 v1(45.2,1.7) ; R39_FASTIC2.2@44.525,4.53 44.525,4.925 44.65,5.05 C10_FASTIC2.1@45.525,5.05
  Top Layer w0.4: C67_FASTIC2.1@29.8,17.6 29.93,17.73 32.476,17.73 32.64,17.566 32.64,17.23 C64_FASTIC2.1@32.75,17.12
  Bottom Layer w0.2: R27_FASTIC2.2@32.3,17.34 33.179,17.34 33.319,17.2 v1(33.4,17.2) ; v1(32.9,44.5) 32.92,44.52 34.48,44.52 R28_FASTIC1.2@34.5,44.54 ; R28_FASTIC2.2@44.25,17.34 44.333,17.257 45.143,17.257 v1(45.2,17.2) ; v1(47.2,45.05) 47.939,45.05 48.069,44.92 48.069,44.631 R27_FASTIC1.2@48.16,44.54
  Bottom Layer w0.3: v1(48,9.8) D6.2@48.85,9.8 ; v1(48,22.1) D8.2@48.85,22.1 ; D1.2@48.85,39.8 49.684,39.8 v1(49.7,39.784) ; D3.2@48.85,52.1 48.925,52.1 49.1,52.275 v1(49.1,53.25)
  other v1: 45.525,4.316 37.45,8.6 37.95,8.6 36.9,10.1 40.1,10.1 38.5,10.2 33.4,11.5 45.2,12.4 47.7,13.2 45.15,13.6 47.7,13.7 45.2,14.8 33.45,15 47.7,15 47.7,15.5 35.4,42.8 47.2,42.9 32.9,45 35.4,45.2 51.85,45.56 51.85,46.06 32.9,46.3 31.2,46.365 35.4,46.4 32.9,46.8 31.2,46.865 35.4,47.6 47.2,48.5 42.1,49.8 40.5,49.9 43.7,49.9 42.65,51.4 43.15,51.4 33.044,52.074
+1V2T: C32.2 C47_FASTIC1.1 C47_FASTIC2.1 C83_FASTIC1.1 C83_FASTIC2.1 C84_FASTIC1.1 C84_FASTIC2.1 C85_FASTIC1.1 C85_FASTIC2.1 C147_FASTIC1.1 C147_FASTIC2.1 C148_FASTIC1.1 C148_FASTIC2.1 IC7.1 IC18_FASTIC1.26 IC18_FASTIC1.27 IC18_FASTIC1.84 IC18_FASTIC1.85 IC18_FASTIC2.26 IC18_FASTIC2.27 IC18_FASTIC2.84 IC18_FASTIC2.85 L1_FASTIC1.2 L1_FASTIC2.2
  other v1: 32.115,7.21 32.615,7.21 47.65,18.2 47.65,18.7 33.4,18.8 45.2,18.8 32.89,21.445 32.89,21.945 47.71,38.055 35.4,41.2 47.2,41.2 32.95,41.3 32.95,41.8 31.2,42.965 31.2,43.465 47.95,52.8 48.5,52.8
+1V8: C26.2 C40.2 C41.2 C42.2 C43.2 C44.2 C45.2 C46.1 IC4.1 IC9.21 IC9.29 IC9.32 IC9.34 IC9.39 IC9.40 R107.2 | length 4.8
  Top Layer w0.3: C45.2@13.43,57.78 13.64,57.57 IC9.40@13.64,56.23 ; IC9.39@14.14,56.23 14.14,57.57 C44.2@14.35,57.78 ; IC9.29@17.59,53.28 C41.2@19.14,53.28
  other v1: 20.8,35.8 16.35,48.45 8.1,48.5 9,48.5 7.653,49.05 8.5,49.1 18.59,53.29 18.59,54.79 16.9,57.2 13.88,57.23
+3V3: C1.2 C2.2 C3.1 C4.1 C8_FASTIC1.1 C8_FASTIC2.1 C11_FASTIC1.2 C11_FASTIC2.2 C12.1 C13.1 C14.1 C15.1 C16.1 C17.1 C18.1 C19.1 C20.1 C21.1 C24.2 C25.2 C29.2 C31.2 C33.2 C35.2 C36.2 C37.2 C38.2 C39.1 C48.2 C90.1 C97.2 C105.1 C106.1 C107.1 C108.1 C109.1 C110.1 C111.1 C112.1 C113.1 C114.1 C115.1 C116.1 C117.2 C118.1 C132.2 C133.1 C137.1 C138.1 C139.1 C140.1 C141.1 C142.2 C145.2 D5.5 IC1_FASTIC1.8 IC1_FASTIC2.8 IC3_FASTIC1.5 IC3_FASTIC2.5 IC4.4 IC4.6 IC6.6 IC7.6 IC8.6 IC9.8 IC9.9 IC9.15 IC9.16 IC9.18 IC9.23 IC9.26 IC10.5 IC13.23 IC13.32 IC14.3 IC14.4 IC30.5 J3.39 J3.40 J6.1 L2.2 PB2.1 R1.2 R2.2 R11.2 R12.2 R29_FASTIC1.2 R29_FASTIC2.2 R34_FASTIC1.2 R34_FASTIC2.2 R35_FASTIC1.2 R35_FASTIC2.2 R36_FASTIC1.2 R36_FASTIC2.2 R37.2 R47.2 R48.2 R49.2 R51.2 R52.2 R79.2 R85.2 R86.2 R87.2 R88.2 T1_FASTIC1.2 T1_FASTIC2.2 U1.A6 U1.B1 U1.C17 U1.E6 U1.E7 U1.E9 U1.E11 U1.F5 U1.F17 U1.G5 U1.G13 U1.G17 U1.H5 U1.H13 U1.J13 U1.K5 U1.K13 U1.L5 U1.L13 U1.M5 U1.M13 U1.N7 U1.N8 U1.N10 U1.N11 U1.N12 U1.P17 U1.U12 | length 66.5
  Top Layer w0.2: v1(4.392,52) 4.392,51.358 IC4.4@4.4,51.35 ; J6.1@5.5,11.9 5.545,11.945 6.045,11.945 6.3,12.2 v1(7.7,12.2) ; C8_FASTIC2.1@5.909,20.218 5.909,21.059 v1(6.118,21.268) 6.749,21.268 6.894,21.123 6.894,20.643 IC1_FASTIC2.8@6.919,20.618 ; v1(10.285,9.748) U1.F17@10.848,9.748 ; v1(10.285,10.548) U1.G17@10.848,10.548 ; v1(10.285,16.148) U1.P17@10.848,16.148 ; U1.C17@10.848,7.348 11.248,6.948 11.248,6.382 11.482,6.148 12.098,6.148 v1@12.1,6.15 ; v1@11.6,45.2 v1(11.595,45.205) 11.59,45.21 R52.2@11.59,46.31 R51.2@12.59,46.31 ; v1(11.65,43.95) 11.65,43.29 R86.2@11.654,43.286 ; IC9.15@13.14,49.33 13.159,49.311 13.159,48.791 v1(13.35,48.6) 13.621,48.871 13.621,49.311 IC9.16@13.64,49.33 ; IC14.3@13.75,25.5 14,25.5 ccw(c14,26.05) IC14.4@14.55,26.05 ; C8_FASTIC1.1@13.793,1.463 14.003,1.253 14.897,1.253 v1(14.9,1.25) 14.9,1.331 15.153,1.584 15.153,2.068 15.178,2.093 IC1_FASTIC1.8@15.403,2.093 ; v1(14.543,19.633) 14.896,19.28 14.896,18.759 14.886,18.75 14.886,18.586 U1.U12@14.848,18.548 ; IC13.23@16.13,35.725 16.13,35.45 16.555,35.025 16.925,35.025 v1(17.35,34.6) ; v1(19.648,5.185) U1.A6@19.648,5.748 ; U1.B1@23.648,6.548 v1(24.046,6.946) ; v1(28.8,55.4) 28.844,55.356 R34_FASTIC1.2@28.844,54.804 ; R35_FASTIC1.2@28.844,51.946 28.86,51.946 29,51.806 v1(29,51.3) ; R35_FASTIC2.2@49.724,4.531 v1(49.724,5.161) ; R34_FASTIC2.2@49.725,1.67 50.37,1.67 v1(50.385,1.685) v1@50.4,1.7 ; IC10.5@57.167,30.608 57.267,30.708 57.267,31.207 57.35,31.29 v1(57.35,31.358) C48.2@57.35,31.9
  Top Layer w0.3: v1(5.15,41.1) 5.29,40.96 5.29,40.49 R37.2@5.43,40.35 ; C24.2@8.25,42.25 v1(8.9,42.25) ; v1@9.4,37.2 v1(9.41,37.19) R87.2@10.05,37.19 ; R88.2@11.01,34.41 12.19,34.41 v1(12.2,34.4) ; C35.2@14.64,47.78 IC9.18@14.64,49.33 ; v1(17.4,27.55) 17.35,27.6 17.35,27.604 17.6,27.854 D5.5@17.6,28.9 ; IC9.26@17.59,51.78 v1@18.379,51.78 ; v1@18.38,51.781 18.431,51.781 v1(18.45,51.8) 18.46,51.79 19.13,51.79 C37.2@19.14,51.78 ; v1(18.5,50.1) 18.527,50.1 18.627,50 18.98,50 C36.2@19.14,49.84 ; v1(22.4,28.95) J3.39@22.4,28.1 C1.2@22.4,26.49 22.4,25.315 C3.1@22.565,25.15 ; v1(22.4,31.07) J3.40@22.4,31.9 C2.2@22.4,33.4 22.56,33.56 22.56,33.66 23.601,34.701 24.201,34.701 C4.1@24.35,34.85 ; R36_FASTIC1.2@30.764,50.424 31.482,50.424 31.708,50.65 v1(31.75,50.65) ; C11_FASTIC1.2@35.539,51.574 35.626,51.487 v1(36.087,51.487) 36.748,51.487 IC3_FASTIC1.5@36.798,51.437 ; R29_FASTIC2.2@41.1,7.376 41.1,6.254 41.2,6.154 v1(41.2,6.1) 41.238,6.138 41.467,6.138 42.225,6.896 T1_FASTIC2.2@42.45,6.896 ; IC3_FASTIC2.5@41.95,5.088 42,5.038 v1(42.632,5.038) 43.1,5.038 C11_FASTIC2.2@43.2,4.938 ; v1@46.7,57.9 v1(46.71,57.89) 46.72,57.88 T1_FASTIC1.2@47.45,57.88 ; v1(47.15,6.05) R36_FASTIC2.2@47.805,6.05 ; C145.2@49.8,22.536 50.396,22.536 v1(50.76,22.9) 50.721,22.938 50.721,23.007 50.253,23.475 50,23.475 49.95,23.525 IC30.5@49.95,23.8 ; R29_FASTIC1.2@50.95,57.08 51.57,57.08 v1(51.585,57.065) v1@51.6,57.05
  Bottom Layer w0.2: R85.2@17.577,42.376 18.574,42.376 18.83,42.12 18.83,41.861 18.807,41.839 18.807,41.357 v1(18.75,41.3) ; PB2.1@30,27.987 33.187,27.987 34.1,28.9 34.1,29.5 v1(33.8,29.8) ; v1(33.45,36.35) 33.57,36.23 33.57,35.856 R79.2@33.76,35.666
  Bottom Layer w0.3: v1@33.93,5.11 R1.2@33.93,5.806 ; v1@35.5,54.2 v1(35.53,54.17) R11.2@37.139,54.17 ; R2.2@36.68,5.816 36.69,5.806 36.69,5.11 v1(36.7,5.1) ; R12.2@39.899,54.17 40,54.069 v1(40,53.4)
  other v1: 33.94,5.1 12.05,6.146 15.25,8.55 17.65,8.55 20.046,8.55 20.05,9.35 20.846,9.35 14.6,9.5 20.846,10.15 13.65,10.946 20.846,10.95 13.65,11.746 13.65,12.546 20.846,12.55 13.65,13.346 20.846,13.35 13.65,14.146 20.846,14.15 13.65,14.946 14.446,14.946 20.05,14.946 15.2,15 15.246,15.746 16.05,15.746 19.246,15.746 16.425,26.109 24.4,39.8 24.9,39.83 18.1,40.1 24.35,42.915 24.85,42.915 24.35,46.315 24.85,46.315 1.9,47.7 2.8,47.7 1.9,48.3 2.8,48.3 14.65,48.33 1.9,48.9 2.8,48.9 9.65,51.6
+3V3A: C28.2 C101.1 C102.2 IC5.1 U1.L1 | length 3.9
  Top Layer w0.2: U1.L1@23.648,13.748 23.686,13.71 24.009,13.71 24.119,13.6 v1(24.2,13.6)
  Top Layer w0.3: C28.2@26.355,10.35 26.455,10.25 IC5.1@27.655,10.25
  Top Layer w0.5: v1(26,12.1) 26.355,11.745 C28.2@26.355,10.35
+5V: C27.2 C75.2 C76.1 C95.2 C119.2 C120.1 C124.2 F1.2 IC5.4 IC5.6 IC11.11 IC13.21 IC21.3 L3.2 | length 7.2
  Top Layer w0.2: IC5.4@29.755,8.95 30.8,8.95 31.048,8.702 31.048,8.207 v1(31.103,8.152) ; IC5.6@29.755,10.25 29.83,10.325 30.036,10.325 30.072,10.361 30.555,10.361 30.672,10.244
  Top Layer w0.3: C120.1@13.75,30.8 14.7,29.85 15.8,29.85 v1(16.05,29.6) ; IC11.11@53.4,31.5 54.127,31.5 54.186,31.559 v1(54.24,31.559) 54.278,31.598 54.548,31.598 C75.2@54.7,31.75
  other v1: 31.1,10.4 31.1,11.2 31.1,11.9 52.95,27.6 53.15,28.05 52.95,28.6 15.292,35.025 2.8,40.1 4.4,40.1 2,40.5 3.6,40.5
ADC2_INP14: C22_FASTIC2.2 R42_FASTIC2.2 U1.N3 | length 7.1
  Top Layer w0.2: U1.N3@22.048,15.348 22.072,15.372 22.33,15.372 22.448,15.489 22.448,17.114 22.682,17.348 24.548,17.348 25.887,18.686 R42_FASTIC2.2@25.887,18.706 25.887,19.606 C22_FASTIC2.2@25.907,19.626
ADC3_INP13: C22_FASTIC1.2 R42_FASTIC1.2 U1.N2 | length 5
  Top Layer w0.2: U1.N2@22.848,15.348 23.248,15.748 23.248,16.398 23.398,16.548 24.388,16.548 24.707,16.866 C22_FASTIC1.2@25.907,16.866 25.887,16.886 R42_FASTIC1.2@25.887,17.786
BOOT0: C93.1 PB2.2 R80.2 U1.E8 | length 31
  Top Layer w0.2: U1.E8@18.048,8.948 18.448,8.548 18.448,7.982 18.682,7.748 19.248,7.748 v1@19.3,7.8 ; v1(25.435,22.348) 30.074,22.348 30.426,22.7 v1(30.5,22.7)
  L05 - Signal w0.2: v1(19.25,7.746) 19.25,9.462 19.996,10.208 19.996,11.196 20.634,11.834 21.631,11.834 22.382,12.585 22.382,15.442 24.576,17.635 24.576,21.483 25.435,22.342 v1(25.435,22.348)
  Bottom Layer w0.2: v1(30.5,22.7) 30,23.2 PB2.2@30,24.587 30.09,24.497 C93.1@32.84,24.497 32.82,24.517 R80.2@32.82,25.41
CALIB_FASTIC1: R29_FASTIC1.1 R81.2 T1_FASTIC1.1 | length 79.1
  Top Layer w0.182: R81.2@10.988,21.728 v1(10.988,22.479) ; T1_FASTIC1.1@49.35,57.88 50.81,57.88 R29_FASTIC1.1@50.95,58.02
  L05 - Signal w0.182: v1(10.988,22.479) 10.957,22.51 10.957,28.364 9.62,29.7 7.6,29.7 7.24,30.06 7.24,32.1 8.2,33.06 8.2,45.591 9.509,46.9 9.509,50.591 14.55,55.632 14.55,57.005 15.926,58.381 49.699,58.381 v1(50.2,57.88)
CALIB_FASTIC2: R29_FASTIC2.1 R75.2 T1_FASTIC2.1 | length 51.5
  Top Layer w0.182: v1(10.5,3.4) 11.038,2.862 ; 11.038,2.862 cw(c10.559,2.383) R75.2@11.236,2.383 R75.2@11.236,2.403 ; R29_FASTIC2.1@41.1,8.316 41.12,8.316 41.6,8.796 T1_FASTIC2.1@42.45,8.796 42.454,8.8 v1(43.8,8.8)
  L05 - Signal w0.182: v1(10.5,3.4) 10.909,2.991 14.845,2.991 15.979,1.857 39.339,1.857 41.381,3.899 45.02,3.899 45.294,3.625 47.429,3.625 48.394,4.59 48.394,6.406 46,8.8 v1(43.8,8.8)
CON_ID0: R21.1 U1.G4 | length 38.6
  Top Layer w0.2: R21.1@18.07,32.45 18.07,32.47 18.26,32.66 18.28,32.66 18.69,33.07 18.69,33.933 18.857,34.1 21.1,34.1 21.3,33.9 v1(21.3,33.2) ; U1.G4@21.248,10.548 v1(21.646,10.15)
  L05 - Signal w0.2: v1(21.3,33.2) 21.3,32.3 21.9,31.7 25.4,31.7 25.786,31.314 25.786,24.416 26.635,23.567 26.635,21.138 26,20.503 26,17.497 27.4,16.097 27.4,12.75 24.8,10.15 23.288,10.15 22.788,10.65 22.146,10.65 v1(21.646,10.15)
CON_ID1: R18.1 U1.G3 | length 34.1
  Top Layer w0.2: R18.1@20.12,33.5 20.12,33.48 20.907,32.693 21.743,32.693 v1(21.8,32.75) ; U1.G3@22.048,10.548 v1(22.446,10.15)
  L05 - Signal w0.2: v1(21.8,32.75) 22.5,32.05 25.545,32.05 26.136,31.459 26.136,24.561 26.985,23.712 26.985,20.993 26.35,20.358 26.35,17.642 27.75,16.242 27.75,12.8 27.75,12.605 24.945,9.8 24.75,9.8 22.796,9.8 v1(22.446,10.15)
CON_ID2: R22.2 U1.H1 | length 23.4
  Top Layer w0.2: R22.2@20.12,25.58 20.92,25.58 21.1,25.4 21.1,24.958 21.883,24.175 24.075,24.175 v1(25.15,23.1) ; U1.H1@23.648,11.348 v1(24.046,10.95)
  L05 - Signal w0.2: v1(24.046,10.95) 25.65,12.554 25.65,20.648 26.285,21.283 26.285,23.422 25.407,24.3 24.993,24.3 24.7,24.007 24.7,23.593 25.15,23.143 v1(25.15,23.1)
CON_ID3: R19.2 U1.H2 | length 21.7
  Top Layer w0.2: R19.2@20.12,26.48 R19.2@20.12,26.5 21.15,26.5 21.4,26.25 21.4,25.082 22.007,24.475 24.467,24.475 25.142,23.8 v1(25.2,23.8) ; U1.H2@22.848,11.348 v1(23.246,10.95)
  L05 - Signal w0.2: v1(23.246,10.95) 25.276,12.98 25.276,20.768 25.935,21.428 25.935,23.022 25.2,23.757 v1(25.2,23.8)